# Altium PCB C210_220601.PcbDoc (part 5 of 7)
Units mm, origin at the board's own origin, x right, y up, seen from the top; angles counter-clockwise.
Board outline 68 x 129.5 mm, 6 copper layers (L1, L2, L3, L4, L5, L6), stack 1.64 mm thick; 493 components, 295 nets, 1739 pads, 1829 vias.
Unrouted connection lines stored in the file: 306.
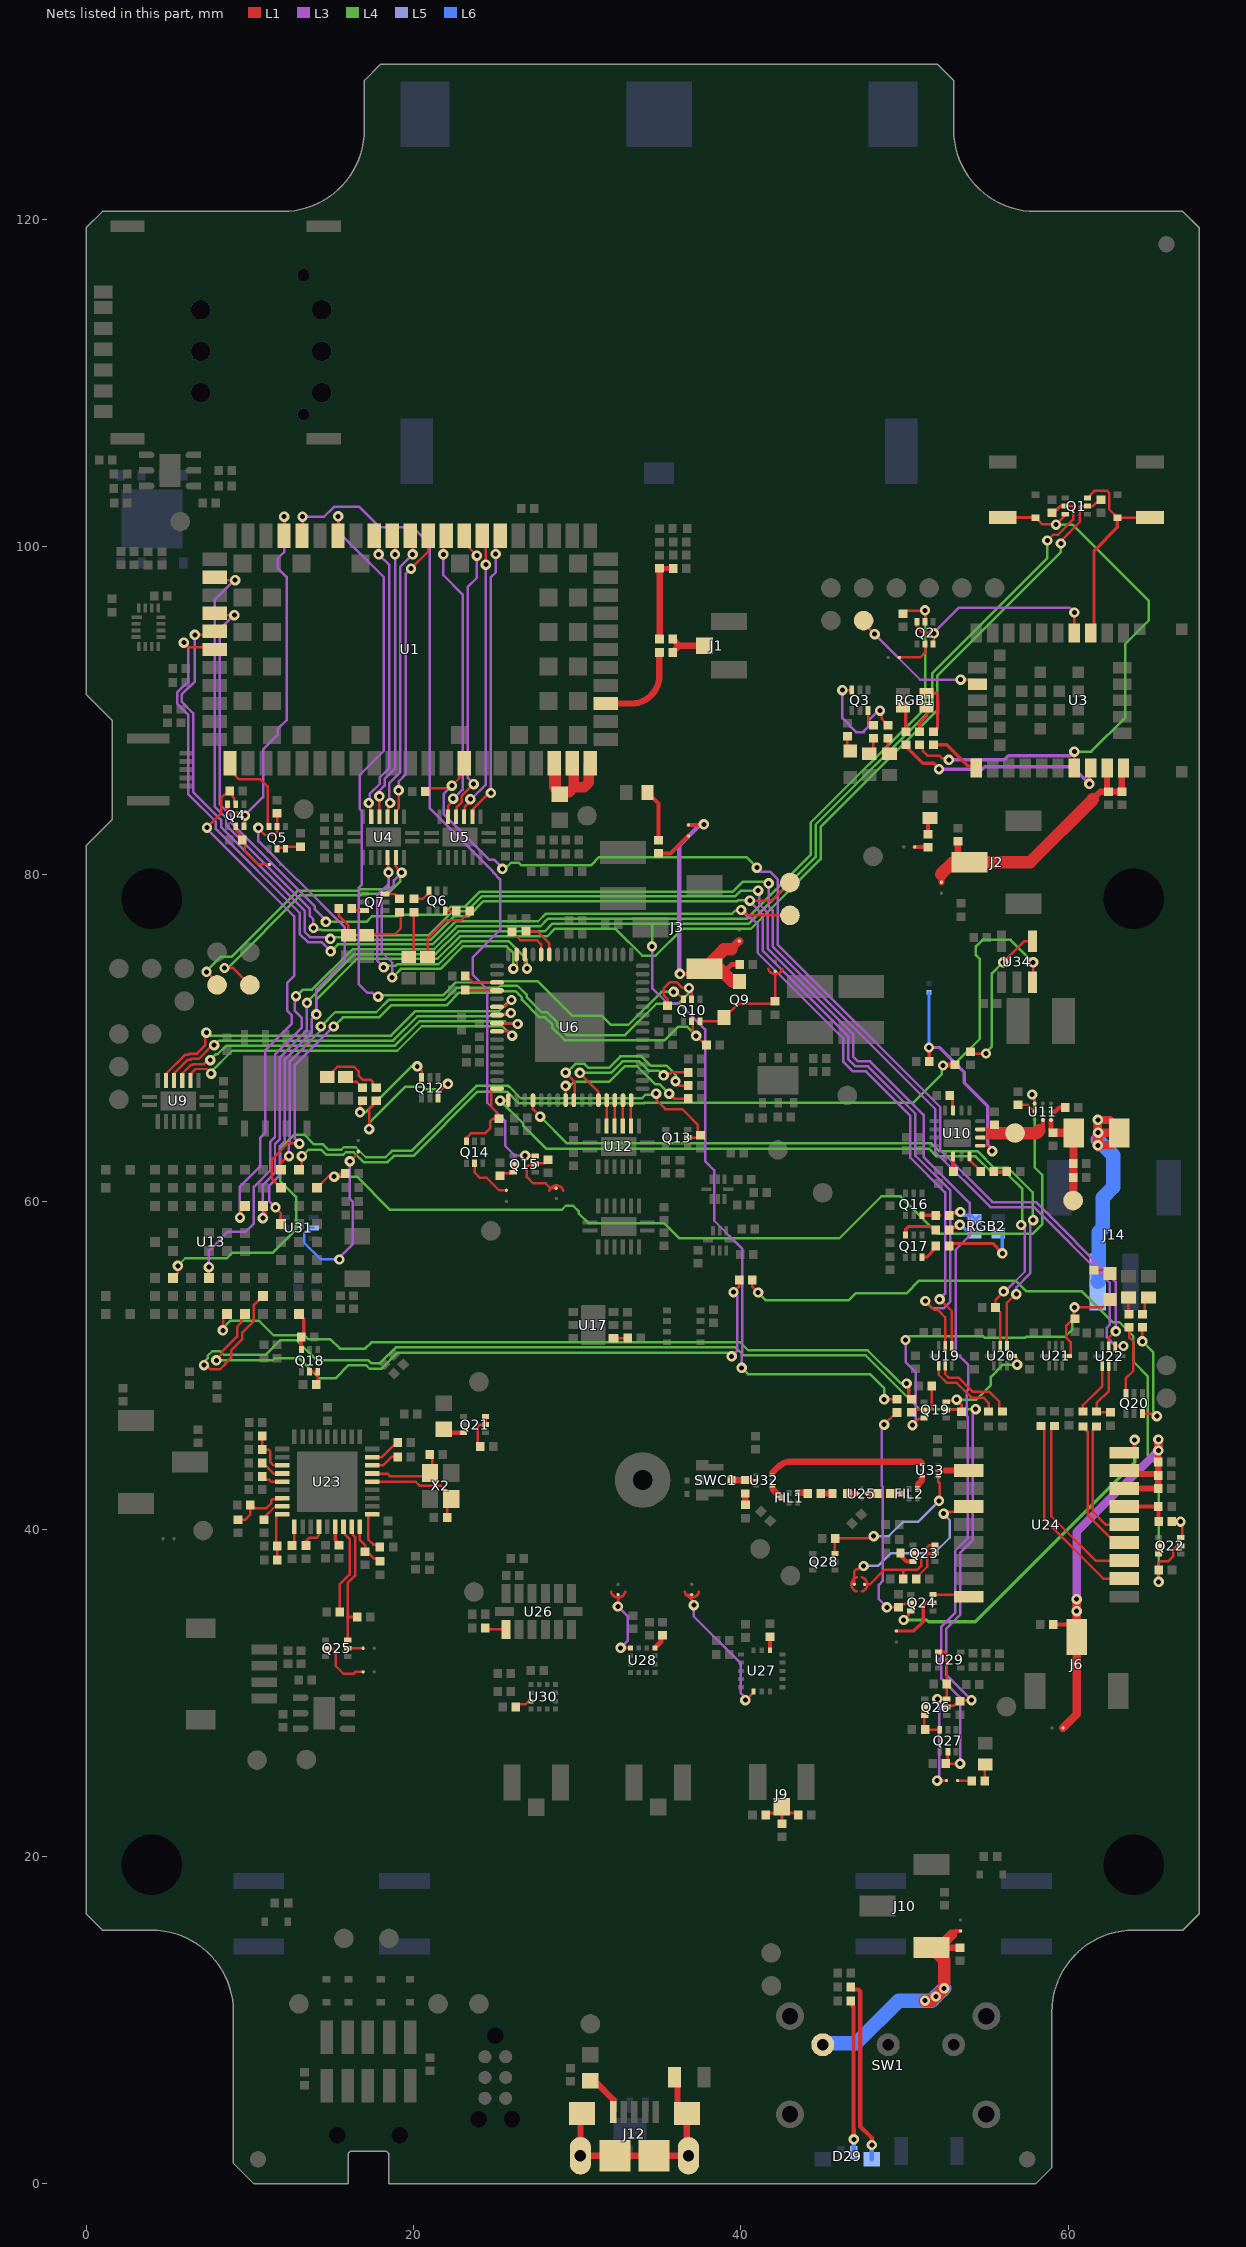
[diagram p9: the nets of this part, all layers, seen from the top]

## Via types
v1: diameter 0.635, hole 0.305, L1 to L6, tented both sides, 1829 vias

## Nets (pads, with @x,y where several pads share a name; then routed paths per layer and width w, separated by ;. In a path a pad name is that pad's centre, name@x,y a point inside that pad or via, vN(x,y) a via of type N, cw(c..) or ccw(c..) an arc to the next point about the centre after c; other vN are vias at no path point) (continued)
NetBTN4_1: BTN4.1 D2.1 Q1.6 R14.1 U3.7 | length 34.8
  L1 w0.152: R14.1@50.925,87.925 50.933,87.925 51.117,87.741 51.117,87.525 51.392,87.25 52.122,87.25 52.28,87.092 52.614,87.092 v1(52.706,87) ; D2.1@58,101.8 58.425,101.375 v1@59.25,101.375 ; v1(59.25,101.37) v1@59.25,101.375 ; Q1.6@59.825,101.95 v1@59.25,101.375 ; U3.7@60.375,86.5 v1(60.375,87.5)
  L1 w0.203: BTN4.1@56,101.8 D2.1@58,101.8 ; Q1.6@59.825,101.95 Q1.6@59.825,102
  L3 w0.203: v1(52.706,87) 56.099,87 56.349,87.25 60.125,87.25 v1(60.375,87.5)
  L4 w0.152: v1(59.25,101.37) 60.254,101.37 64.925,96.699 64.925,95.525 63.49,94.09 63.49,89.59 61.4,87.5 v1(60.375,87.5)
NetBTN5_1: BTN5.1 D3.1 Q1.3 U3.18 | length 13
  L1 w0.152: Q1.3@61.175,103 61.6,103.425 62.375,103.425 62.5,103.3 62.5,103.258 62.504,103.255 62.504,102.296 D3.1@63,101.8 BTN5.1@65,101.8
  L1 w0.203: U3.18@61.375,94.75 61.575,94.95 61.575,99.775 63,101.2 D3.1@63,101.8
NetC16_1: C16.1 C17.2 C28.1 J2.2 NC5.1 U3.9 U3.10 | length 17.9
  L1 w0.381: 52.239,80.015 52.25,80.003 NC5.1@52.25,79.525 ; C28.1@53.25,82.025 53.25,80.741 J2.2@53.975,80.741 ; 61.5,84.6 61.95,85.05 C17.2@62.45,85.05 ; U3.9@62.375,86.5 62.375,85.125 C17.2@62.45,85.05 ; U3.10@63.375,86.5 63.275,86.4 C16.1@63.275,85.05 C17.2@62.45,85.05
  L1 w0.762: 52.239,80.015 52.965,80.741 J2.2@53.25,80.741 ; J2.2@53.975,80.741 57.666,80.741 61.5,84.575 61.5,84.6
NetC36_1: C36.1 J3.3 NC2.1 NC6.2 Q9.3 | length 19
  L1 w0.254: v1(36.269,73.917) 36.967,73.917 37.285,74.235 J3.3@37.775,74.235 ; NC2.1@36.802,83.023 v1@37.744,83.023
  L1 w0.305: 38.935,74.01 39.413,74.488 C36.1@39.925,74.488
  L1 w0.508: 39.401,75.424 NC6.2@39.9,75.924
  L1 w0.762: 39.401,75.424 38.965,75.424 J3.3@37.775,74.235 38.71,74.235 38.935,74.01 39.494,73.45 Q9.3@39.925,73.45
  L3 w0.254: v1(36.269,73.917) 36.237,73.949 36.237,81.762 37.535,83.06 v1(37.744,83.06)
NetC54_1: C54.1 U11.B3 | length 1
  L1 w0.254: U11.B3@58.95,65.5 59.2,65.5 59.45,65.75 C54.1@59.825,65.75
NetC55_1: C55.1 TP29.1 U10.2 U10.3 U11.C2 | length 6
  L1 w0.229: U10.2@54.618,63.923 55.125,63.923 55.375,64.173 55.125,64.423 U10.3@54.618,64.423
  L1 w0.254: 58.239,64.361 58.45,64.572 U11.C2@58.45,65
  L1 w0.381: 55.375,64.173 55.493,64.291 C55.1@55.493,64.69
  L1 w0.762: 55.375,64.173 58.051,64.173 58.239,64.361
NetC56_2: C56.2 C62.2 C63.1 F1.1 TP31.1 U11.C3 | length 6.1
  L1 w0.305: U11.C3@58.95,65 58.95,64.35 C56.2@59.075,64.225
  L1 w0.508: C56.2@59.075,64.225 F1.1@60.2,64.225 ; TP31.1@60.3,60.075 60.325,60.1 60.325,61.475 60.325,62.325 F1.1@60.325,64.2
NetC76_2: C76.2 Q18.3 U13.B9 | length 2.3
  L1 w0.203: U13.B9@13,53.15 13.305,52.845 13.305,51.893 C76.2@13.15,51.738 ; Q18.3@13.15,50.971 C76.2@13.15,51.646
NetC88_1: C88.1 U23.33 X2.3 | length 4.9
  L1 w0.152: U23.33@17.475,43.397 18.403,43.397 18.572,43.228 20.799,43.228 X2.3@21.012,43.44 21.15,43.578 C88.1@21.15,44.558
NetC89_1: C89.1 U23.14 | length 1.4
  L1 w0.152: C89.1@10.75,43.222 10.947,43.024 11.175,43.024 11.302,42.897 U23.14@11.975,42.897
NetC90_1: C90.1 U23.34 | length 1.8
  L1 w0.152: U23.34@17.475,43.897 18.147,43.897 18.667,44.417 C90.1@19.03,44.417
NetC96_2: C96.2 C97.2 C100.1 C117.2 J6.2 NC13.1 U24.7 U24.8 | length 29.8
  L1 w0.254: C117.2@59.088,34.179 60.488,34.179 J6.2@60.513,34.154 ; U24.7@63.413,42.479 U24.7@63.424,42.49 ; v1(65.501,44.801) 65.472,44.83 v1@65.501,44.86
  L1 w0.305: U24.8@63.413,43.579 U24.8@63.593,43.4 ; C96.2@65.391,43.4 65.416,43.375 C96.2@65.501,43.29
  L1 w0.381: J6.2@60.513,33.404 60.888,33.779 J6.2@60.513,34.154 ; v1(60.513,34.992) 60.55,35.029 v1@60.513,35.065 ; U24.7@63.424,42.49 C100.1@65.501,42.49 C96.2@65.501,43.29 ; U24.8@63.593,43.4 63.618,43.375 C96.2@65.416,43.375 ; C96.2@65.501,43.4 C97.2@65.501,44.09 v1(65.501,44.801)
  L1 w0.508: NC13.1@59.676,27.85 60.513,28.688 J6.2@60.513,33.404 ; J6.2@60.513,34.154 v1(60.513,34.992) ; v1@60.513,35.065 v1(60.513,35.725) ; v1@65.501,44.86 v1(65.501,45.475)
  L3 w0.508: v1(60.513,34.992) v1(60.513,35.725) 60.513,39.813 v1(65.501,44.801) v1(65.501,45.475)
NetC98_1: C98.1 L2.2 | length 0.7
  L1 w0.391: C98.1@44.875,42.175 L2.2@45.6,42.175
NetC98_2: C98.2 FIL1.4 | length 0.6
  L1 w0.391: FIL1.4@43.5,42.213 C98.2@44.075,42.213
NetC99_1: C99.1 FIL2.1 | length 0.6
  L1 w0.391: C99.1@49.125,42.175 FIL2.1@49.693,42.175
NetC99_2: C99.2 U25.2 | length 0.5
  L1 w0.391: U25.2@47.8,42.175 C99.2@48.325,42.175
NetC102_1: C102.1 U23.32 X2.1 | length 6.6
  L1 w0.152: U23.32@17.475,42.897 20.124,42.897 20.367,42.654 21.65,42.654 22.312,41.992 X2.1@22.312,41.84 22.05,41.579 C102.1@22.05,40.719
NetC103_2: C103.2 L1.1 | length 0.7
  L1 w0.391: C103.2@40.275,41.479 L1.1@40.275,42.182
NetC105_2: C105.2 R96.1 U24.6 | length 3
  L1 w0.254: U24.6@63.413,41.379 C105.2@65.513,41.379 R96.1@65.513,40.466 ; R96.1@65.512,40.454 R96.1@65.523,40.466
NetC113_2: C113.2 U28.4 | length 1
  L1 w0.305: U28.4@34.75,32.75 35.108,33.108 35.108,33.398 C113.2@35.219,33.509
NetC118_1: C118.1 U27.14 | length 0.8
  L1 w0.254: U27.14@41.775,32.605 C118.1@41.775,33.417
NetC130_1: C130.1 J10.3 NC15.2 SW1.1 | length 16.2
  L1 w0.254: J10.3@51.65,14.435 J10.3@51.657,14.428 ; 52.892,15.232 53.11,15.45 NC15.2@53.418,15.45
  L1 w0.381: J10.3@52.088,14.428 C130.1@53.4,14.428
  L1 w0.635: J10.3@52.088,14.428 52.892,15.232
  L1 w0.762: v1@51.225,11.2 v1(51.25,11.2) 51.663,11.2 v1(51.909,11.446) v1(52.413,11.95) 52.425,11.962 52.425,13.66 J10.3@51.657,14.428
  L6 w0.889: SW1.1@45,8.5 45.084,8.584 47.034,8.584 49.65,11.2 v1(51.25,11.2) 51.663,11.2 v1(51.909,11.446) v1(52.413,11.95)
NetD4_2: D4.2 R10.1 | length 1
  L1 w0.152: R10.1@46.51,88.425 46.51,87.7 D4.2@46.685,87.525
NetD5_A: D5.A R11.1 | length 1
  L1 w0.152: R11.1@48.975,88.325 48.975,87.475 D5.A@49.075,87.375
NetD6_A: D6.A R12.1 | length 1.1
  L1 w0.152: D6.A@47.85,87.375 48.1,87.625 R12.1@48.1,88.325
NetD7_A: D7.A R21.1 | length 3.2
  L1 w0.254: D7.A@34.3,85 34.96,84.34 R21.1@34.96,82.083
NetD8_A: D8.A R22.1 | length 1.1
  L1 w0.254: R22.1@51.425,82.45 51.425,83.325 D8.A@51.55,83.45
NetD9_A: D9.A R23.1 | length 2.9
  L1 w0.152: D9.A@19.717,74.954 19.726,74.954 20.025,75.253 R23.1@20.025,77.7
NetD10_A: D10.A R24.1 | length 4.4
  L1 w0.152: D10.A@20.862,74.954 20.862,76.094 21.963,77.196 22.893,77.196 23.088,77.391 23.088,77.398 23.425,77.735 R24.1@23.425,77.75
NetD11_A: D11.A R28.1 | length 3.3
  L1 w0.15: D11.A@17.15,76.275 17.233,76.358 18.883,76.358 19.22,76.695 19.22,77.63 R28.1@19.15,77.7
NetD12_A: D12.A R25.1 | length 1.9
  L1 w0.152: R25.1@15.442,77.907 15.442,77.46 16.025,76.877 D12.A@16.025,76.275
NetD13_A: D13.A R38.1 | length 1.3
  L1 w0.152: D13.A@15.85,67.625 16.149,67.326 16.534,67.326 16.85,67.01 R38.1@16.85,66.975
NetD14_A: D14.A R39.1 | length 4.1
  L1 w0.152: D14.A@14.725,67.625 14.8,67.625 15.099,67.924 15.099,67.999 15.35,68.25 16.375,68.25 16.65,67.975 16.65,67.725 16.925,67.45 17.4,67.45 17.526,67.324 17.526,67.159 17.71,66.975 R39.1@17.725,66.975
NetD15_1: D15.1 Q19.3 R70.2 U21.5 | length 24.3
  L1 w0.15: v1(50.485,46.35) 50.869,46.734 51.143,46.734 Q19.3@51.188,46.779
  L1 w0.152: U21.5@59.938,50.579 60.101,50.579 60.143,50.621 60.143,51.432 59.871,51.704 59.871,52.421 60.362,52.912 60.362,53.551 62.076,53.551 D15.1@62.55,54.025
  L3 w0.15: v1(50.06,51.552) 50.06,50.206 50.691,49.575 50.691,46.68 50.485,46.474 v1(50.485,46.35)
  L4 w0.152: v1(50.06,51.552) 50.024,51.588 50.211,51.775 54.802,51.775 54.886,51.691 57.365,51.691 57.429,51.755 59.801,51.755 60.25,52.204 60.25,52.929 60.326,53.005 60.326,53.495 v1(60.382,53.551)
NetD15_2: D15.2 R68.2 | length 1
  L1 w0.152: R68.2@61.588,55.825 62.35,55.825 D15.2@62.55,55.625
NetD16_A: D16.A R71.1 | length 1.2
  L1 w0.152: R71.1@64.525,53.132 64.688,53.295 64.688,53.934 D16.A@64.9,54.146
NetD17_A: D17.A R72.1 | length 1
  L1 w0.152: D17.A@63.675,54.15 63.675,53.186 R72.1@63.725,53.136
NetD21_A: D21.A R118.1 | length 1
  L1 w0.152: R118.1@54.9,24.619 54.9,25.595 D21.A@54.925,25.62
NetD29_1: D29.1 R126.1 | length 9.4
  L1 w0.254: R126.1@46.704,11.175 46.837,11.042 46.837,10.85 46.888,10.799 46.888,3.34 46.9,3.328 v1(46.9,2.725)
  L6 w0.254: D29.1@46.9,1.9 v1(46.9,2.725)
NetD29_3: D29.3 R124.1 | length 11.3
  L1 w0.254: R124.1@46.704,12.025 46.704,12.01 46.837,11.877 47.169,11.877 47.292,11.753 47.292,3.507 48,2.799 v1(48,2.375)
  L6 w0.254: D29.3@48,1.5 v1(48,2.375)
NetF1_2: F1.2 J14.1 | length 17.1
  L1 w0.508: v1@61.812,64.112 61.875,64.175 v1(61.825,64.225) ; v1@61.815,63.324 61.875,63.383 v1(61.812,63.447) 62.672,63.447 63,63.775 F1.2@63,64.225 ; v1(61.825,64.225) F1.2@63,64.225 ; v1(61.825,64.225) 61.819,64.231 61.819,64.927 61.875,64.983 61.858,65 62.55,65 63,64.55 F1.2@63,64.225
  L1 w0.635: v1(61.812,63.447) v1@61.812,64.112
  L6 w0.508: 61.812,63.788 v1(61.812,65)
  L6 w0.889: J14.1@61.8,55.1 61.85,55.15 61.85,58.137 62.1,58.387 62.1,60.25 62.75,60.9 62.75,62.85 61.812,63.788
NetFB1_2: FB1.2 U1.51 U1.52 U1.53 | length 8.1
  L1 w0.635: FB1.2@28.6,85.35 U1.51@28.6,86.8 ; U1.51@28.7,86.8 28.7,85.172 28.872,85 29.48,85 29.8,85.32 ; U1.52@29.8,86.8 29.8,85.32 ; U1.53@30.8,86.8 30.717,86.717 30.717,85.61 30.428,85.32 29.8,85.32
NetFB2_2: FB2.2 Q21.3 | length 1.2
  L1 w0.305: FB2.2@21.856,45.988 21.956,45.888 Q21.3@23.053,45.888
NetFB3_1: FB3.1 U19.3 | length 5.2
  L1 w0.152: U19.3@52.488,49.979 52.488,49.46 52.714,49.234 53.314,49.234 54.169,48.379 55.188,48.379 55.788,47.779 55.788,47.379 FB3.1@55.988,47.179
NetFB4_1: FB4.1 U19.2 | length 4.8
  L1 w0.152: U19.2@52.088,49.979 52.088,49.429 52.588,48.929 53.188,48.929 54.088,48.029 54.813,48.029 55.138,47.704 FB4.1@55.138,47.179
NetFB5_2: FB5.2 U24.3 | length 11.2
  L1 w0.152: FB5.2@59.163,46.304 58.963,46.104 58.963,40.785 61.669,38.079 U24.3@63.413,38.079
NetFB6_2: FB6.2 U24.2 | length 12.2
  L1 w0.152: FB6.2@58.332,46.304 58.538,46.098 58.538,40.579 62.138,36.979 U24.2@63.413,36.979
NetFB7_1: FB7.1 R86.2 U22.3 | length 4
  L1 w0.152: U22.3@62.483,49.961 62.483,48.449 61.738,47.704 FB7.1@61.738,47.179 61.788,47.129 R86.2@62.588,47.129
NetFB7_2: FB7.2 U24.5 | length 7.6
  L1 w0.152: FB7.2@61.738,46.279 61.5,46.041 61.5,41.064 62.285,40.279 U24.5@63.413,40.279
NetFB8_1: FB8.1 U22.2 | length 3.3
  L1 w0.152: FB8.1@60.901,47.179 60.901,47.567 62.083,48.749 U22.2@62.083,49.961
NetFB8_2: FB8.2 U24.4 | length 8.5
  L1 w0.152: FB8.2@60.901,46.279 60.901,46.234 61.188,45.946 61.188,40.854 62.863,39.179 U24.4@63.413,39.179
NetFB9_1: FB9.1 J12.1 | length 2.6
  L1 w0.381: FB9.1@30.801,6.195 31.156,6.195 32.2,5.151 J12.1@32.2,4.395
NetFB10_1: FB10.1 J12.6 | length 14.4
  L1 w0.381: J12.6@30.3,4.295 30.201,4.196 J12.6@30.2,1.72 J12.6@36.8,1.721 36.7,1.821 J12.6@36.7,4.295 36.125,4.87 36.125,6.3 FB10.1@35.9,6.525
NetFIL1_1: FIL1.1 U32.1 | length 0.7
  L1 w0.391: 41.95,42.49 41.95,42.425 FIL1.1@42.4,41.975
NetFIL2_4: FIL2.4 U33.3 | length 0.6
  L1 w0.391: FIL2.4@50.821,42.571 50.821,42.724 51.054,42.958 51.054,43.111
NetJ1_1: J1.1 R5.2 R7.2 | length 2.7
  L1 w0.183: 36.224,93.96 36.224,93.975
  L1 w0.391: R5.2@35.825,93.561 36.224,93.96 ; R7.2@35.825,94.374 36.224,93.975 J1.1@37.775,93.975
NetJ9_1: J9.1 R119.2 R120.2 R121.2 | length 3.5
  L1 w0.183: R119.2@41.51,22.526 41.635,22.651 42.147,22.651 J9.1@42.505,23.009 ; R120.2@42.505,22.001 J9.1@42.505,23.009 ; R121.2@43.505,22.526 43.38,22.651 42.897,22.651 J9.1@42.505,23.043 J9.1@42.505,23.009
NetL1_2: L1.2 SWC1.C U32.5 | length 1.5
  L1 w0.152: 40.556,42.987 40.561,42.983 U32.5@40.95,42.983
  L1 w0.391: SWC1.C@39.43,42.987 40.556,42.987
NetL2_1: L2.1 U25.4 | length 0.5
  L1 w0.391: L2.1@46.5,42.175 46.5,42.167 U25.4@47,42.167
NetL3_1: L3.1 Q23.3 | length 1
  L1 w0.254: L3.1@49.688,38.454 50.113,38.029 Q23.3@50.513,38.029
NetNC1_1: NC1.1 Q2.5 | length 2.2
  L1 w0.152: NC1.1@49.676,93.25 50.956,93.25 51.25,93.544 Q2.5@51.25,94.075
NetNC2_2: NC2.2 R21.2 | length 2.3
  L1 w0.254: R21.2@34.96,81.283 35.708,81.283 NC2.2@36.802,82.378
NetNC3_2: NC3.2 R22.2 | length 0.8
  L1 w0.254: NC3.2@50.625,81.675 51.4,81.675 R22.2@51.425,81.65
NetNC4_1: NC4.1 Q4.2 R19.1 | length 3.6
  L1 w0.152: Q4.2@9.142,82.931 9.217,82.856 9.217,82.647 9.365,82.5 9.365,82.278 R19.1@9.542,82.1 9.692,81.95 9.692,81.408 10.493,80.607 NC4.1@11.198,80.607
NetNC7_1: NC7.1 U31.5 | length 11.1
  L1 w0.152: v1(16.116,62.474) 16.116,62.481 16.625,62.99 NC7.1@16.625,63.07
  L3 w0.152: v1(15.472,56.474) 15.472,56.586 16.304,57.418 16.304,59.991 16.116,60.179 v1(16.116,62.474)
  L6 w0.152: U31.5@13.9,58.4 13.646,58.4 13.325,58.079 13.325,57.49 14.32,56.494 15.452,56.494 v1(15.472,56.474)
NetNC8_1: NC8.1 Q14.5 | length 3
  L1 w0.152: Q14.5@23.731,62.351 23.731,61.807 23.725,61.801 24.071,61.454 24.475,61.454 25.229,60.701 NC8.1@25.675,60.701
NetNC10_1: NC10.1 Q24.5 | length 3.5
  L1 w0.203: NC10.1@49.5,33.779 50.572,33.779 51.143,34.35 51.143,35.343 51.301,35.5 51.734,35.5 Q24.5@51.738,35.504
NetNC11_1: NC11.1 Q25.5 | length 3.5
  L1 w0.152: Q25.5@14.625,32.725 15.024,32.725 15.25,32.499 15.25,31.628 15.709,31.168 16.34,31.168 16.45,31.278 NC11.1@16.925,31.278
NetNC12_1: NC12.1 Q25.2 | length 1
  L1 w0.152: Q25.2@15.975,32.725 15.976,32.726 NC12.1@16.925,32.726
NetNC14_1: NC14.1 Q26.3 R113.1 U29.1 | length 9.5
  L1 w0.152: v1(51.985,24.636) 51.986,24.637 NC14.1@52.563,24.637 ; v1(52.006,29.625) Q26.3@52.575,29.625 R113.1@52.575,30.525 52.575,32.35 52.419,32.506 U29.1@52.075,32.506
  L3 w0.152: v1(51.985,24.636) 52.109,24.76 52.109,26.19 52.109,26.642 52.109,29.521 v1(52.006,29.625)
NetNC14_2: NC14.2 R118.2 | length 0.9
  L1 w0.152: NC14.2@53.238,24.637 53.257,24.619 R118.2@54.1,24.619
NetNO1_1: NO1.1 Q9.1 Q10.6 R32.1 | length 7
  L1 w0.152: Q10.6@37.495,71.027 38.733,71.027 38.742,71.017 Q9.1@38.975,71.25 39.817,72.092 42.1,72.092 42.1,73.9 NO1.1@42.1,74.075 ; R32.1@42.099,72.235 R32.1@42.108,72.244
NetNO3_1: NO3.1 Q15.2 R47.2 | length 4.2
  L1 w0.152: R47.2@28.22,62.569 28.005,62.355 27.498,62.355 Q15.2@27.447,62.304 27.383,62.24 27.046,62.24 26.927,62.12 26.927,61.509 27.308,61.128 28.068,61.128 28.372,60.824 NO3.1@28.725,60.824
NetNO4_1: NO4.1 U28.7 | length 4.3
  L1 w0.152: v1(32.489,35.275) 32.5,35.286 32.5,35.825 NO4.1@32.5,36 ; v1(32.657,32.75) U28.7@33.25,32.75
  L3 w0.152: v1(32.489,35.275) 33.1,34.664 33.1,33.193 v1(32.657,32.75)
NetNO5_1: NO5.1 U27.6 | length 8.8
  L1 w0.15: 36.95,35.828 NO5.1@36.95,35.971
  L1 w0.152: 36.678,36 NO5.1@37,36 ; 36.9,35.778 36.989,35.689 36.989,35.667 37.124,35.532 v1(37.124,35.357) ; v1(40.275,29.554) 40.304,29.554 40.775,30.025 U27.6@40.775,30.075
  L3 w0.152: v1(37.124,35.357) 37.124,34.666 40,31.79 40,29.96 40.275,29.685 v1(40.275,29.554)
NetNO6_1: NO6.1 U24.13 | length 10.8
  L1 w0.152: NO6.1@46.925,36.625 46.925,36.978 46.925,37.433 47.035,37.543 47.158,37.543 47.366,37.75 v1(47.496,37.75) ; v1(52.384,40.942) 52.514,40.942 52.628,41.055 53.589,41.055 U24.13@53.913,41.379
  L5 w0.152: v1(47.496,37.75) 48.383,37.75 49.162,38.529 51.814,38.529 52.761,39.476 52.761,40.546 52.384,40.923 v1(52.384,40.942)
NetNO6_2: NO6.2 Q23.2 R108.1 | length 5.6
  L1 w0.152: NO6.2@47.55,36.625 47.559,36.634 47.724,36.634 47.877,36.634 48.747,37.504 49.95,37.504 ; R108.1@49.913,36.954 49.913,37.467 49.95,37.504 ; Q23.2@50.513,38.529 50.587,38.455 50.773,38.455 51.011,38.218 51.011,37.746 50.769,37.504 49.95,37.504
NetQ1_2: Q1.2 Q5.2 R3.1 R17.2 U13.C4 | length 97.4
  L1 w0.15: v1(10.525,82.844) 10.525,82.8 10.921,82.404 11.488,82.404 11.672,82.589 Q5.2@11.672,82.925 R17.2@11.672,83.725 ; v1(11.57,59.654) 11.558,59.642 11.9,59.3 U13.C4@11.9,58.65
  L1 w0.152: v1(59.55,100.216) 59.55,100.375 60.7,101.525 60.7,102.5 Q1.2@61.175,102.5 61.5,102.5 61.9,102.9 R3.1@62,102.9
  L3 w0.15: v1(10.525,82.844) 10.525,82.03 12.885,79.671 12.903,79.671 15.795,76.779 15.795,74.712 14.065,72.981 v1(14.065,71.444) 13.775,71.154 13.775,70.326 12.148,68.698 12.148,63.707 11.843,63.402 11.843,61.643 11.2,61 11.2,60.024 v1(11.57,59.654)
  L4 w0.152: v1(14.065,71.444) 14.065,72.367 16.543,74.846 21.465,74.846 22.831,76.211 23.945,76.211 23.954,76.221 28.178,76.221 28.622,76.665 32.343,76.665 33.981,75.028 34.79,75.028 36.428,76.665 40.603,76.665 44.871,80.934 44.871,82.903 52,90.032 52,92.14 59.55,99.69 v1(59.55,100.216)
NetQ1_5: Q1.5 R2.1 R81.2 U13.D3 | length 120.1
  L1 w0.152: v1(10.8,59) 10.95,59.15 10.95,59.6 U13.D3@10.8,59.75 ; v1(48.75,47.929) 48.754,47.925 R81.2@49.525,47.925 ; v1(58.725,100.4) 59.075,100.75 59.375,100.75 60.3,101.675 60.3,102.5 Q1.5@59.825,102.5
  L1 w0.203: R2.1@59,102.1 59.125,102.1 59.525,102.5 Q1.5@59.825,102.5
  L3 w0.152: v1(10.8,59) 10.8,61.03 11.539,61.769 11.539,63.528 11.844,63.833 11.844,68.824 13.471,70.451 13.471,71.28 13.49,71.299 13.49,72.143 v1(13.494,72.146) ; v1(34.572,75.599) 34.572,73.061 35.508,72.125 36.215,72.125 37.812,70.527 37.812,62.478 38.375,61.914 38.375,58.84 40.099,57.116 40.099,50.788 40.057,50.747 40.057,49.857 v1(40.05,49.85)
  L4 w0.152: v1(13.494,72.146) 13.494,72.213 16.406,75.125 21.35,75.125 22.741,76.516 23.819,76.516 23.828,76.526 27.621,76.526 28.029,76.526 28.473,76.97 34.572,76.97 ; v1(34.572,75.599) 34.572,76.97 ; v1(40.05,49.85) 40.425,49.475 44.394,49.475 44.398,49.471 47.89,49.471 48.75,48.611 v1(48.75,47.929) ; v1(58.725,100.4) 58.725,99.325 51.695,92.295 51.695,90.158 44.566,83.029 44.566,81.06 40.477,76.97 34.572,76.97
NetQ2_2: Q2.2 R4.1 U13.G7 | length 75.4
  L1 w0.152: U13.G7@7.5,55.35 v1(7.5,56) ; R4.1@49.9,95.9 50.1,96.1 51.225,96.1 v1(51.25,96.125) Q2.2@51.25,95.425
  L3 w0.152: v1(7.5,56) 7.5,56.548 7.5,57 8.674,58.174 9.751,58.174 10.25,58.672 10.25,60.911 11.235,61.895 11.235,63.654 11.539,63.959 11.539,68.996 13.167,70.623 13.167,71.249 12.731,71.684 12.731,72.466 v1(12.821,72.556)
  L4 w0.152: v1(12.821,72.556) 12.847,72.556 13.246,72.955 13.805,72.955 16.287,75.437 21.266,75.437 22.65,76.821 23.692,76.821 23.702,76.83 27.747,76.83 28.191,77.275 40.351,77.275 44.262,81.186 44.262,83.156 51.25,90.144 v1(51.25,96.125)
NetQ2_3: Q2.3 Q2.6 U3.19 | length 12.9
  L1 w0.152: Q2.3@50.75,95.425 50.75,95.117 51.117,94.75 51.776,94.75 v1(51.796,94.73) ; Q2.6@51.75,94.075 51.7,94.125 51.775,94.2 v1@51.775,94.75 ; U3.19@60.375,94.75 v1(60.375,96)
  L3 w0.152: v1(51.796,94.73) 51.796,94.771 53.316,96.291 60.084,96.291 v1(60.375,96)
NetQ3_3: Q3.3 R11.2 | length 6.8
  L1 w0.152: v1(46.2,91.25) Q3.3@46.775,91.25 ; v1(48.5,90) 48.592,89.908 48.592,89.508 48.776,89.324 48.776,89.309 48.96,89.125 R11.2@48.975,89.125
  L3 w0.152: v1(46.2,91.25) 46.2,89.546 47.071,88.675 47.5,88.675 47.5,88.737 47.775,89.012 47.775,89.371 48.404,90 v1(48.5,90)
NetQ3_6: Q3.6 R12.2 | length 1
  L1 w0.152: Q3.6@47.775,90 47.775,89.435 48.085,89.125 R12.2@48.1,89.125
NetQ4_3: Q4.3 Q4.6 U1.18 | length 23.1
  L1 w0.152: U1.18@12.1,100.7 v1(12.1,101.85)
  L1 w0.203: Q4.6@8.642,84.281 8.642,83.82 8.688,83.775 9.407,83.775 v1@9.626,83.556 ; Q4.3@9.642,82.931 9.673,82.962 9.673,83.556 v1(9.704,83.586)
  L3 w0.152: v1(9.704,83.586) 9.704,83.618 10.811,84.725 10.811,87.636 11.701,88.526 11.701,88.871 12.244,89.414 12.244,98.175 11.704,98.715 11.704,99.281 12.1,99.678 v1(12.1,101.85)
NetQ4_5: Q4.5 R16.1 U13.E3 | length 32.3
  L1 w0.152: v1(7.384,82.856) 8.241,83.714 8.241,84.656 R16.1@8.691,85.106 ; R16.1@8.765,85.106 8.765,85.032 8.965,84.831 8.965,84.734 9.065,84.634 9.065,84.359 Q4.5@9.142,84.281 ; v1(9.399,59.025) 9.476,59.102 9.476,59.526 U13.E3@9.7,59.75
  L3 w0.152: v1(7.384,82.856) 7.384,82.766 12.707,77.443 12.707,73.798 12.275,73.366 12.275,71.68 12.568,71.387 12.568,70.887 10.93,69.249 10.93,64.211 10.625,63.907 10.625,62.148 9.399,60.922 v1(9.399,59.025)
NetQ5_3: Q5.3 U1.33 | length 5.6
  L1 w0.152: U1.33@8.8,86.8 8.8,86.335 9.335,85.799 10.651,85.799 11.1,85.35 11.1,82.997 Q5.3@11.172,82.925
NetQ5_5: Q5.5 Q5.6 R20.2 | length 1.6
  L1 w0.152: Q5.5@11.672,81.575 11.672,81.625 Q5.6@12.172,81.625 ; Q5.6@12.172,81.575 12.172,81.675 R20.2@13.097,81.675
NetQ6_3: Q6.3 R24.2 | length 0.7
  L1 w0.152: Q6.3@21.942,77.749 R24.2@22.625,77.75 R24.2@22.625,77.75
NetQ6_6: Q6.6 R23.2 | length 1.2
  L1 w0.152: R23.2@20.025,78.5 20.568,78.5 20.942,78.874 Q6.6@20.942,78.999
NetQ7_3: Q7.3 R28.2 | length 1
  L1 w0.15: Q7.3@18.25,78.8 18.85,78.8 R28.2@19.15,78.5
NetQ7_6: Q7.6 R25.2 | length 0.8
  L1 w0.152: R25.2@16.242,77.907 16.349,77.8 Q7.6@17,77.8
NetQ10_2: Q10.2 R31.1 U13.C1 | length 39.9
  L1 w0.152: U13.C1@11.9,61.95 11.9,62.375 12.312,62.787 v1(12.396,62.787) ; R31.1@35.525,71.975 35.525,72.386 35.301,72.61 35.301,73.051 35.649,73.399 36.095,73.399 36.434,73.061 v1(36.829,73.061) 36.995,72.894 Q10.2@36.995,72.377
  L3 w0.152: v1(12.396,62.787) 12.388,62.795 12.388,63.518 12.451,63.581 12.451,68.573 14.275,70.396 14.275,70.706 v1(14.339,70.706)
  L4 w0.152: v1(14.339,70.706) 15.208,71.575 17.727,71.575 18.48,72.328 21.903,72.328 22.65,73.075 25.201,73.075 25.322,73.197 26.353,73.197 26.927,72.623 26.927,72.479 27.834,71.572 28.171,71.572 28.77,70.973 28.77,70.777 29.369,70.178 32.925,70.178 34.844,72.097 36.163,72.097 36.829,72.763 v1(36.829,73.061)
NetQ10_3: Q10.3 U1.15 | length 54.4
  L1 w0.152: v1(15.397,101.875) 15.397,100.703 U1.15@15.4,100.7 ; v1(35.898,72.823) 36.049,72.823 Q10.3@36.495,72.377 Q10.3@36.495,72.452
  L3 w0.152: v1(15.397,101.875) 15.397,100.95 18.197,98.15 18.197,87.55 16.704,86.057 16.704,84.012 16.834,83.882 16.834,79.351 16.65,79.167 16.65,73.293 17.171,72.772 17.468,72.772 17.715,72.525 v1(17.846,72.525)
  L4 w0.152: v1(17.846,72.525) 17.93,72.61 21.79,72.61 22.575,73.394 25.038,73.394 25.12,73.476 27.583,73.476 29.684,71.375 31.489,71.375 32.058,70.806 33.121,70.806 35.139,72.823 v1(35.898,72.823)